# Altium PCB power-v3.1.PcbDoc (part 2 of 3)
Units mil, origin at the board's own origin, x right, y up, seen from the top; angles counter-clockwise.
Board outline 6119.76 x 3200 mil, 2 copper layers (Top Layer, Bottom Layer), stack 63.012 mil thick; 159 components, 100 nets, 465 pads, 512 vias.
Unrouted connection lines stored in the file: 96.
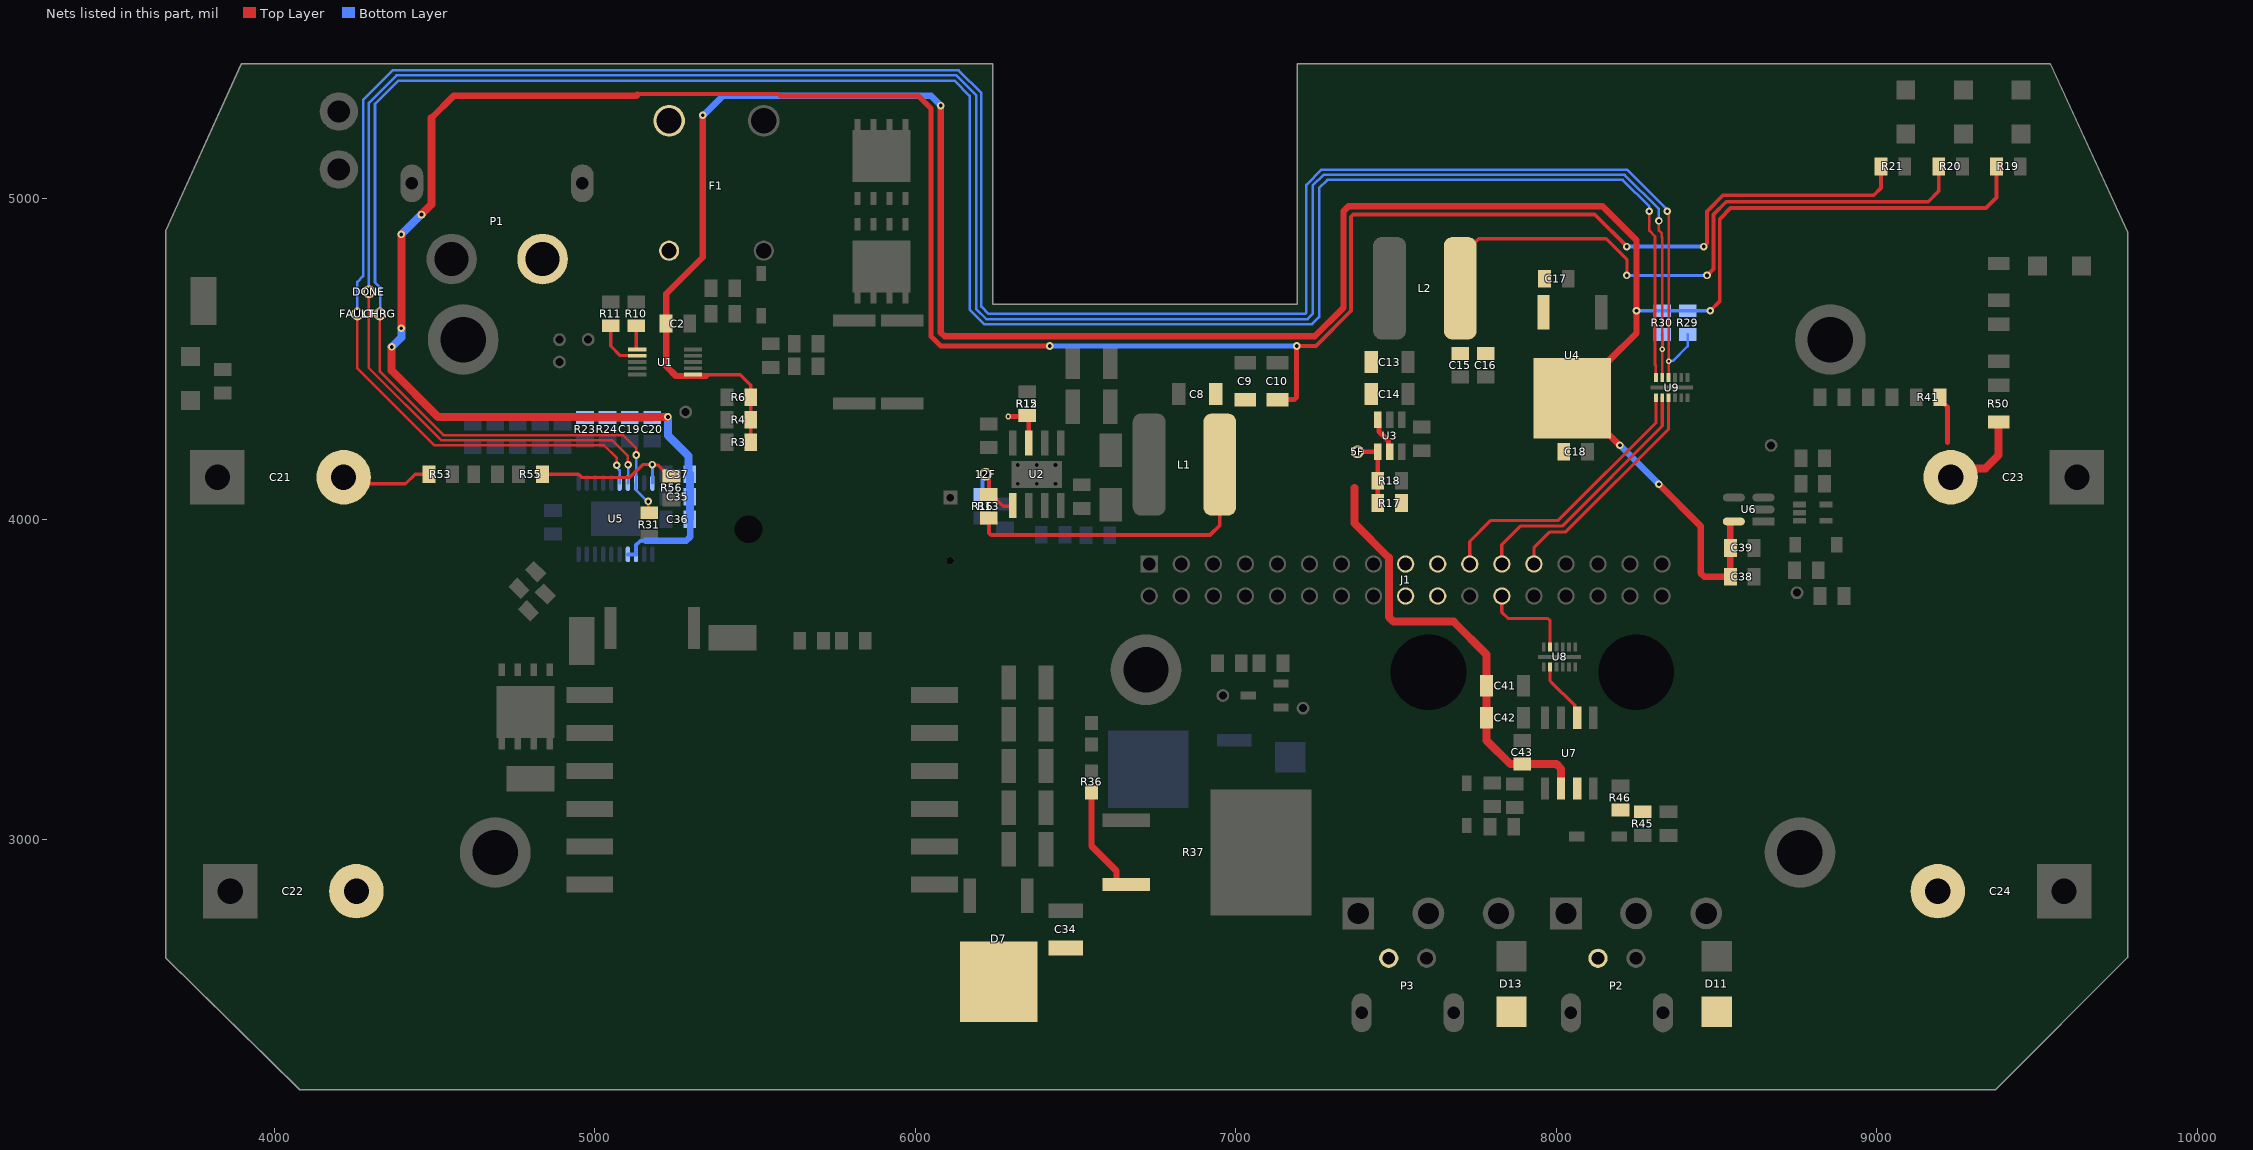
[diagram p2: the nets of this part, all layers, seen from the top]

## Components (designator, comment, footprint, x,y, rotation, side; value= is the part's Value field where it differs from the comment) (continued)
DONE "Test Point (Via)" TP 4296.07,4709.06 r90 top (schematic designator TP10)
F1 "3557-2" FUSE_3549-2 5380,5040 r180 top
FAULT "Test Point (Via)" TP 4260,4640 r90 top (schematic designator TP11)
FBD "Test Point - 5019" TP380X203 4800,3190 r180 top (schematic designator TP8)
GND "Test Point - 5019" TP380X203 3780,4680 r270 top (schematic designator TP1)
HV_S-RAW "Test Point (Via)" TP 8670,4230 r180 top (schematic designator TP16)
HV_SENSE "Test Point (Via)" TP 8751,3770.37 r180 top (schematic designator TP17)
J1 "0.1\" Header Female 34" SAMTEC_ESQ-117-12-L-D 6730,3860 r180 top locked
L1 "SRN8040TA-150M" INDP8279X40M 6840,4170 r0 top
L2 "SRN8040-3R3Y" INDP8279X40M 7590,4720 r0 top
P1 "XT60" Amass_XT60PW-M 4695.77,4811.23 r0 top value=N/A
P2 "4365002" 43650-02 8189.06,2459.92 r0 top value=N/A
P3 "4365002" 43650-02 7536.3,2460 r0 top value=N/A
Q1 "AON6407" 8-PowerSMD#1 5895,5114.17 r90 top
Q2 "AON6407" 8-PowerSMD#1 5895,4805.83 r270 top
Q3 "BSC350N20NSFD" 8-PowerSMD#2 4785,3415.83 r270 top
Q4 "STD11N60DM2" "DPAK (TO-252)" 6830,3220 r270 bottom
Q5 "BSS127SSN-7" SOT95P245X89-3M 7090,3450 r180 top
Q6 "FGY75N60SMD" TO-247-3 8030,2770 r0 bottom
Q7 "FGY75N60SMD" TO-247-3 7382.2,2770 r0 bottom
R1 "100k" 0805 5400,4720 r180 top
R2 "100k" 0805 5400,4640 r180 top
R3 "10k" 0805 5450,4240 r180 top
R4 "10k" 0805 5450,4310 r180 top
R5 "10.0" 0805 5659.5,4476.5 r0 top
R6 "10k" 0805 5450,4380 r180 top
R7 "2mOHM" 2512 5810,4490 r90 top
R8 "2mOHM" 2512 5960,4490 r90 top
R9 "10.0" 0805 5659.5,4546.5 r0 top
R10 "10k" 0805 5130,4640 r90 top
R11 "10k" 0805 5050,4640 r90 top
R12 "169k" 0805 6350,4360 r270 top
R13 "10.2k" 0805 6230,4040 r270 top
R14 "10k" 0805 6430.39,3951.65 r0 bottom
R15 "18.7k" 0805 6350,4360 r90 bottom
R16 "732" 0805 6210,4040 r90 bottom
R17 "56.2k" 0805 7480,4050 r180 top
R18 "10k" 0805 7480,4120 r180 top
R19 "110" 0805 9410,5100 r0 top
R20 "270" 0805 9230,5100 r0 top
R21 "1k" 0805 9050,5100 r0 top
R22 "1.96K" 0805 3840,4430 r270 top value=1.96k
R23 "174k" 0805 4970,4280 r90 bottom
R24 "255k" 0805 5040,4280 r90 bottom
R25 "330k" 0805 4830,4260 r90 bottom
R26 "495k" 0805 4900,4260 r90 bottom
R27 "25.5k" 0805 4760,4260 r270 bottom
R28 "100k" 0805 5677,3620 r180 top
R29 "100k" 0805 8410,4613 r90 bottom
R30 "100k" 0805 8330,4613 r90 bottom
R31 "10k" 0805 5170,3983 r90 top
R32 "11.5k" 0805 4790,3810 r45 top
R33 "25.5k" 0805 4820,3740 r45 top
R34 "7mOHM" 2512 5180,3660 r180 top
R35 "1.05k" 0805 4870,3990 r90 bottom
R36 "5.1M" 0603 6550,3180 r270 top
R37 "1k 50W" "D2PAK (TO-263)" 6910,2960 r270 top value=1.5k
R38 "5.1M" 0603 6550,3330 r270 top
R39 "270k" 0805 6980,3550 r180 top
R40 "100k" 0805 7110,3550 r180 top
R41 "330k" 0805 9160,4380 r0 top
R42 "330k" 0805 9010,4380 r0 top
R43 "330k" 0805 8860,4380 r0 top
R44 "13k" 0805 8800,4190 r0 top
R45 "110" 0805 8270,3050 r90 top
R46 "10k" 0805 8200,3130 r90 top
R47 "110" 0805 7830,3040 r0 top
R48 "10k" 0805 7870,3137 r90 top
R49 "100" 0805 8780,3840 r180 top
R50 "10k" 1206 9380,4360 r270 top
R51 "10k" 1206 9380,4550 r270 top
R52 "10k" 1206 9380,4740 r270 top
R53 "100k" 0805 4520,4140 r180 top
R54 "100k" 0805 4660,4140 r180 top
R55 "100k" 0805 4800,4140 r180 top
R56 "1.6k" 0805 5240,4097 r90 top
S1 "SPST 8.5A 125V" "SPST GF-123-0054" 4202.41,5271.5 r270 top
SCL "Test Point (Via)" TP 4890,4490 r90 top (schematic designator TP3)
SDA "Test Point (Via)" TP 4890.37,4559.63 r90 top (schematic designator TP2)
T1 "DA2034" DA2034 5504.88,3177.28 r180 top
U1 "INA226AIDGSR" 10-VSSOP 5220,4490 r0 top
U2 "TPS54531DDA" 8-PowerSOIC 6379.06,4139.53 r270 top
U3 "TPS563200DDCR" TSOT-23-6 7480,4260 r270 top
U4 "ZLDO1117K33TC" "DPAK (TO-252)" 8050,4480 r180 top
U5 "LT3751EFE#PBF" LT-FE-20-EPV-CB_L 5065.16,4001.22 r270 bottom
U6 "MIC7300YM5-TR" FP-SOT23-5LD-PL-1-IPC_A 8600,4030 r180 top
U7 "IR4427STRPBF" 8-SOIC 8040,3270 r270 top
U8 "TPD6F002DSVR" PSON50P140X80_HS-13N 8010,3570 r90 top
U9 "TPD6F002DSVR" PSON50P140X80_HS-13N 8360,4410 r270 top
VCC "Test Point (Via)" TP 5284.06,4334.06 r180 top (schematic designator TP7)
VCC "LED2" 3.2X1.6X1.1 3740,4438.9 r90 top (schematic designator D6)

## Footprints (in the part's own frame and the unit in brackets; to place one, negate y for a bottom-side part, rotate by r counter-clockwise, add the part's x,y. Pads: shape width x height; smd on the part's side, far side on the other; paste and mask are expansions set on the pad)
3.2X1.6X1.1 [mm]
  rect 1.5x1.5 smd: 1(-1.75,0) 2(1.75,0)
  silkscreen extent -2.9,-1.15 3.2,1.15
8-PowerSMD#1 [mm]
  rect 4.12x4.6 smd: D(0.46,0)
  rect 1x0.5 smd: D(2.9,-1.905) D(2.9,-0.635) D(2.9,0.635) D(2.9,1.905) G(-2.9,-1.905) S(-2.9,-0.635) S(-2.9,0.635) S(-2.9,1.905)
  silkscreen extent -3.13,-2.75 2.6,2.75, body extent -3.07,-2.57 3.08,2.58, height 1.1
8-PowerSMD#2 [mm]
  rect 4.12x4.6 smd: 2(0.46,0)
  rect 1x0.5 smd: D(2.9,1.905) D(2.9,-0.635) D(2.9,0.635) D(2.9,-1.905) G(-2.9,-1.905) S(-2.9,1.905) S(-2.9,-0.635) S(-2.9,0.635)
  silkscreen extent -3.13,-2.75 2.6,2.75, body extent -3.07,-2.57 3.08,2.58, height 1.1
8-PowerSOIC [mm]
  rect 1.97x0.6 smd: 1(-2.475,1.905) 2(-2.475,0.635) 3(-2.475,-0.635) 4(-2.475,-1.905) 5(2.475,-1.905) 6(2.475,-0.635) 7(2.475,0.635) 8(2.475,1.905)
  rect 2.13x4 smd: 9(0,0)
  round 0.6 hole 0.3: V1(-0.75,1.5) V2(0.75,1.5) V3(-0.75,0) V4(0.75,0) V5(-0.75,-1.5) V6(0.75,-1.5)
  silkscreen extent -4.42,-2.52 2,2.6, body extent -3.1,-2.49 3.1,2.49, height 1.68
8-SOIC [mm]
  rect 1.75x0.65 smd: 1(-2.8,1.905) 2(-2.8,0.635) 3(-2.8,-0.635) 4(-2.8,-1.905) 5(2.8,-1.905) 6(2.8,-0.635) 7(2.8,0.635) 8(2.8,1.905)
  silkscreen extent -2.92,-2.55 1.6,2.91, body extent -2,-2.55 2,2.55, height 1.7
10-VSSOP [mm]
  rect 1.45x0.3 smd: 1(-2.2,1) 2(-2.2,0.5) 3(-2.2,0) 4(-2.2,-0.5) 5(-2.2,-1) 6(2.2,-1) 7(2.2,-0.5) 8(2.2,0) 9(2.2,0.5) 10(2.2,1)
  silkscreen extent -2.42,-1.5 1.15,1.82
0603 [mm]
  rect 1.1x1 smd: 1(-0.85,0) 2(0.85,0)
  silkscreen extent -0.15,-0.45 0.15,0.45
0805 [mil]
  rect 40x55 smd: 1(-37,0) 2(37,0)
  silkscreen extent -4,-28 4,28, body extent -47,-28 47,28, height 24
1206 [mm]
  rect 1.05x1.72 smd: 1(-1.46,0) 2(1.46,0)
  silkscreen extent -0.62,-0.85 0.62,0.85
1210 [mm]
  rect 1.16x2.72 smd: 1(-1.475,0) 2(1.475,0)
  silkscreen extent -0.57,-1.35 0.57,1.35
2512 [mm] "Chip Resistor, 2-Leads, Body 6.35x3.10mm, IPC Low Density"
  rect 0.95x3.35 smd: 1(-3.3,0) 2(3.3,0)
  silkscreen extent -2.45,-1.58 2.45,1.58, body extent -3.22,-1.63 3.22,1.63, height 0.6
43650-02 [mm] "Molex Microfit 2PIN RightAngle Thru"
  round 1.52 hole 1.02: 1(-1.5,4.32) 2(1.5,4.32)
  oval 1.6x3.1 hole 1 slot 2.49 at 90 deg: NC(-3.65,0) NC(3.65,0)
  Keep-Out Layer region: 5.575,3.7 3.125,3.7 3.125,2.1 5.575,2.1
  Keep-Out Layer region: -5.575,2.1 -3.125,2.1 -3.125,3.7 -5.575,3.7
  silkscreen extent -5.96,-4.2 5.6,5.96, body extent -4.82,-4.55 4.83,5.35, height 5.64
Amass_XT60PW-M [mm] "Right angle XT60 Male Socket"
  round 4 hole 2.7: 1(-3.6,0) 2(3.6,0)
  rrect100% 1.8x3 hole 1 slot 2 at 90 deg: Un1(6.75,6) Un2(-6.75,6)
  silkscreen extent -7.76,-1.85 7.76,15.42, body extent -7.95,-1.95 7.95,16.3, height 8.4
"D2PAK (TO-263)" [mm]
  rect 1.06x3.78 smd: 1(-2.54,-6.4) 2(2.54,-6.4)
  rect 10x8 smd paste-5 mask+0: 3(0,4.29)
  silkscreen extent -5.34,-7.05 5.32,-3.24, body extent -5.08,-7.62 5.08,7.62, height 4.83
DA2034 [mm]
  rect 3.7x1.27 smd: 1(-14.1,8.059) 2(-14.1,5.059) 3(-14.1,2.059) 4(-14.1,-0.941) 5(-14.1,-3.941) 6(-14.1,-6.941) 7(13.206,-6.941) 8(13.206,-3.941) 9(13.206,-0.941) 10(13.206,2.059) 11(13.206,5.059) 12(13.206,8.059)
  silkscreen extent -10.93,-9.73 10.07,10.85, body extent -14.82,-9.68 13.83,10.89, height 11.18
DO-214AA [mm]
  rect 2.4x2.4 smd: A(2.2,0) C(-2.2,0)
  silkscreen extent -2.26,-1.91 2.26,1.91
DO-214AC [mm]
  rect 2.65x1.75 smd: A(-2.15,0) C(2.15,0)
  silkscreen extent -2.7,-1.25 2.7,1.25
"DPAK (TO-252)" [mil]
  rect 38.58x107.87 smd: 1(-90,-165) 3(90,-165)
  rect 241.67x251.97 smd paste-157.48: 2(0,103)
  silkscreen extent -135,-244 135,150, body extent -128,-185 128,205, height 97
FP-SOT23-5LD-PL-1-IPC_A [mm]
  rect 1.756x0.61 smd paste+0 mask+0: 1(-1.175,0.95)
  rrect100% 1.756x0.61 smd paste+0 mask+0: 2(-1.175,0) 3(-1.175,-0.95) 4(1.175,-0.95) 5(1.175,0.95)
  silkscreen extent -2.73,-1.7 1.4,1.7, body extent -2.55,-1.95 2.55,1.95, height 0.25
FUSE_3549-2 [mm]
  round 2.5 hole 2: 1(-3.75,-5.15) 4(3.75,-5.15)
  round 1.6 hole 1.2: 2(-3.75,5.15) 3(3.75,5.15)
  silkscreen extent -9,-5.2 9,5.2, body extent -9.19,-14.3 8.85,5.3, height 5.84
INDP8279X40M [mm] "Precision Wire Wound Inductor, 2-Leads, Body 8.15x7.90mm, IPC Low Density"
  rrect50% 2.6x8.1 smd: 1(-2.8,0) 2(2.8,0)
  silkscreen extent -0.63,-4.05 0.63,4.05, body extent -4.01,-4 4.01,4, height 4
LT-FE-20-EPV-CB_L [mm] "SOP, 20-Leads, Body 6.6x4.5mm, Pitch 0.65mm, Thermal Pad 3.86x2.74mm, IPC High Density"
  oval 1.25x0.35 smd: 1(-2.825,2.925) 2(-2.825,2.275) 3(-2.825,1.625) 4(-2.825,0.975) 5(-2.825,0.325) 6(-2.825,-0.325) 7(-2.825,-0.975) 8(-2.825,-1.625) 9(-2.825,-2.275) 10(-2.825,-2.925) 11(2.825,-2.925) 12(2.825,-2.275) 13(2.825,-1.625) 14(2.825,-0.975) 15(2.825,-0.325) 16(2.825,0.325) 17(2.825,0.975) 18(2.825,1.625) 19(2.825,2.275) 20(2.825,2.925)
  rect 2.74x3.86 smd: 21(0,0)
  silkscreen extent -2.95,-3.3 1.8,3.77, body extent -2.25,-3.3 2.25,3.3, height 1.2
ONSC-SOD-123-2-425-04_V [mm] "SOD, 2-Leads, Body 2.69x1.6mm"
  rect 0.91x1.22 smd: 1(-1.635,0) 2(1.635,0)
  silkscreen extent -1.76,-0.8 0.78,1.28, body extent -1.35,-0.8 1.35,0.8, height 1.35
PSON50P140X80_HS-13N [mm] "PSON, 12-Leads, Body 3.00x1.35mm, Pitch 0.50mm, Thermal Pad 3.05x0.31mm, IPC Medium Density"
  rect 0.7x0.3 smd: 1(-0.8,1.25) 2(-0.8,0.75) 3(-0.8,0.25) 4(-0.8,-0.25) 5(-0.8,-0.75) 6(-0.8,-1.25) 7(0.8,-1.25) 8(0.8,-0.75) 9(0.8,-0.25) 10(0.8,0.25) 11(0.8,0.75) 12(0.8,1.25)
  rect 0.31x3.4 smd: 13(0,0)
  silkscreen extent -1.17,-1.7 0.72,1.75, body extent -0.72,-1.55 0.72,1.55, height 0.8
"RADIAL, CAN - THRU 10mm - RIGHTANGLE" [mm]
  rect 1.108x1.108 hole 0.6: NEG(-2.5,0)
  round 0.6 hole 0.6: POS(2.5,0)
  Top Layer region: 3.097,0.24 2.81,0.553 2.387,0.571 2.074,0.285 2.056,-0.139 2.342,-0.451 2.766,-0.47 3.078,-0.183
  Bottom Layer region: 3.097,0.24 2.81,0.553 2.387,0.571 2.074,0.285 2.056,-0.139 2.342,-0.451 2.766,-0.47 3.078,-0.183
  Multi-Layer region: 3.097,0.24 2.81,0.553 2.387,0.571 2.074,0.285 2.056,-0.139 2.342,-0.451 2.766,-0.47 3.078,-0.183
  silkscreen extent -4.4,0 -3.6,0, body extent -5,-23.8 5,-1.8, height 11
"RADIAL, CAN - THRU 25.4mm" [mil]
  rect 170x170 hole 78.74: NEG(0,0)
  round 170 hole 78.74: POS(393.7,0)
  silkscreen extent -315,-512 709,512, body extent -303,-500 697,500, height 1772
SAMTEC_ESQ-117-12-L-D [mm]
  rect 1.37x1.37 hole 1.02: 1(0,0)
  round 1.37 hole 1.02: 2(0,2.54) 3(-2.54,0) 4(-2.54,2.54) 5(-5.08,0) 6(-5.08,2.54) 7(-7.62,0) 8(-7.62,2.54) 9(-10.16,0) 10(-10.16,2.54) 11(-12.7,0) 12(-12.7,2.54) 13(-15.24,0) 14(-15.24,2.54) 15(-17.78,0) 16(-17.78,2.54) 17(-20.32,0) 18(-20.32,2.54) 19(-22.86,0) 20(-22.86,2.54) 21(-25.4,0) 22(-25.4,2.54) 23(-27.94,0) 24(-27.94,2.54) 25(-30.48,0) 26(-30.48,2.54) 27(-33.02,0) 28(-33.02,2.54) 29(-35.56,0) 30(-35.56,2.54) 31(-38.1,0) 32(-38.1,2.54) 33(-40.64,0) 34(-40.64,2.54)
  silkscreen extent -44.3,-3.2 3.6,4.3, body extent -44.21,-2.95 3.54,4.25, height 9.5
SOD-123 [mil]
  rect 48x30 smd: A(66,0) C(-66,0)
  silkscreen extent -56,-36 56,36
SOT65P230X110-5N [mm]
  rect 1.05x0.45 smd: 1(-1.05,0.65) 2(-1.05,0) 3(-1.05,-0.65) 4(1.05,-0.65) 5(1.05,0.65)
  silkscreen extent -1.58,-1.05 0.18,1.12, body extent -1.15,-1.05 1.15,1.05, height 1.1
SOT95P245X89-3M [mm] "SOT23, 3-Leads, Body 2.90x2.45mm, Pitch 0.95mm, IPC Low Density"
  rect 1.2x0.65 smd: D(1.3,0) G(-1.3,0.95) S(-1.3,-0.95)
  silkscreen extent -1.43,-1.5 0.7,1.95, body extent -0.7,-1.5 0.7,1.5, height 0.89
"SPST GF-123-0054" [mil]
  round 120 hole 70: 0(0,0) 1(181,0)
  silkscreen extent -154,-252 512,165, body extent -145,-243 503,157, height 589
TO-247-3 [mm]
  rect 2.52x2.52 hole 1.68: 1(0,0)
  round 2.52 hole 1.68: 2(5.56,0) 3(11.12,0)
  silkscreen extent -3.85,-2.04 13.5,2.78, body extent -2.44,-25.55 13.56,0.35, height 8.8
TP [mil] "Test point (40mil Standard)"
  round 40 hole 25: 1(0,0)
TP380X203 [mm]
  rect 3.8x2.03 smd: 1(0,0)
TSOT-23-6 [mm] "SOT-23-6 Thin"
  rect 1.3x0.6 smd: 1(-1.255,0.95) 2(-1.255,0) 3(-1.255,-0.95) 4(1.255,-0.95) 5(1.255,0) 6(1.255,0.95)
  silkscreen extent -2.6,1.15 -2.4,1.35, body extent -1.4,-1.45 1.4,1.45, height 0.97

## Part data
3V3 5V 12V +HV VCC: library part "LED GREEN SMD", "Typical RED, GREEN, YELLOW, AMBER GaAs LED", Color=Green, Current - Test=20mA, Package=1206, Voltage - Forward (Vf) (Typ)=2V, Lens Transparency=Clear
C1 C2 C3 C12: library part "CAP 100nF 50V", "CAP CER 0.1UF 50V X7R 0805", Package=0805, Rating=50V, Tolerance=10%
C4: library part "CAP 8.2nF 50V", "CAP CER 8200PF 50V X7R 0805", Operating Temperature="-55°C ~ 125°C", Package=0805, Rating=50V, Temperature Coefficient=X7R, Tolerance=10%
C5: library part "CAP 10pF 50V", "CAP CER 10PF 50V X7R 0603/0805", Operating Temperature="-55°C ~ 125°C", Package=0603/0805, Rating=50V, Temperature Coefficient=X7R, Tolerance=10%
C6 C7: library part "CAP 10uF 50V", "CAP CER 10UF 50V X7R", Package=1210, Rating=50V, Tolerance=10%, ComponentLink1Description=digikey, ComponentLink1URL=https://www.digikey.ca/en/products/detail/kemet/C1210C106M5RACTU/4918883
C8 C9 C10 C13 C14 C41 C42: library part "CAP 10uF 25V", "CAP CER 10UF 25V X5R 1206", Operating Temperature="-55°C ~ 85°C", Package=1206, Rating=25V, Temperature Coefficient=X5R, Tolerance=10%
C11: library part "CAP 2700pF 50V", "CAP CER 2700PF 50V X7R 0805", Operating Temperature="-55°C ~ 125°C", Package=0805, Rating=50V, Temperature Coefficient=X7R, Tolerance=10%
C15 C16: library part "CAP 22uF 10V", "CAP CER 2.2UF 10V X5R 0805", Operating Temperature="-55°C ~ 85°C", Package=0805, Rating=10V, Temperature Coefficient=X5R, Tolerance=20%
C17 C18: library part "CAP 4.7uF 6.3V", "CAP CER 4.7UF 6.3V X5R 0603/0805", Operating Temperature="-55°C ~ 85°C", Package=0603/0805, Rating=6.3V, Temperature Coefficient=X5R, Tolerance=10%
C19 C26 C27 C28 C29 C30 C31 C37: library part "CAP 10uF 35V", "CAP CER 10UF 35V X7R 0805", Operating Temperature="-55°C ~ 125°C", Package=0805, Rating=35V, Temperature Coefficient=X7R, Tolerance=10%
C20 C32 C35 C36: library part "CAP 0.10uF 35V", "CAP CER 0.10UF 35V X7R 0603/0805", Operating Temperature="-55°C ~ 125°C", Package=0603/0805, Temperature Coefficient=X7R, Tolerance=10%
C21 C22 C23 C24: library part "CAP POL 1000uF", "United Chemi-Con / ESMQ251VSN102MQ45S", Capacitance=1mF, Case/Package=Radial, Dielectric Material=Aluminium, Manufacturer="United Chemi-Con", Manufacturer Part Number=ESMQ251VSN102MQ45S, Max Operating Temperature=85°C, Min Operating Temperature=-40°C, Ripple Current=960mA, Supplier Part Number 1=565-2754-ND, Tolerance=20%, Voltage=250V, Diameter=25.4mm, Height - Seated (Max)=45mm, Lead Diameter=2mm, Lead Free="Lead Free", Lead Pitch=10mm, Life (Hours)=2000Hour, Mount="Through Hole,PCB", Number of Pins=2, REACH SVHC="No SVHC", RoHS=Yes, Supplier 1=Digi-Key, Termination=Radial
C25: library part "CAP POL 680uF TH", "NICHICON   UHW1V681MPD6 ALUMINUM ELECTROLYTIC CAPACITOR, 680UF, 35V, 20%, RADIAL, FULL REEL", Case/Package=Radial, Dielectric Material=Aluminium, Manufacturer=Nichicon, Manufacturer Part Number=UHW1V681MPD6, Supplier Part Number 1=493-6804-ND, Tolerance=20%, Voltage=35V, Capacitance=680uF, Number of Pins=2, RoHS=Yes, Supplier 1=Digi-Key, Termination=Radial
C33: library part "CAP 2.2uF 16V", "CAP CER 2.2UF 16V X5R 0603/0805", Operating Temperature="-55°C ~ 85°C", Package=0603/0805, Rating=16V, Temperature Coefficient=X5R, Tolerance=10%
C34: library part "CAP 0.1uF 630V", "CAP CER 0.1uF 630V X7R 1210", Operating Temperature="-55°C ~ 125°C", Package=1210, Rating=630V, Temperature Coefficient=X7R, Tolerance=10%
C38: library part "CAP 1.0uF 16V", "CAP CER 1.0UF 16V X5R 0603/0805", Operating Temperature="-55°C ~ 85°C", Package=0603/0805, Rating=16V, Temperature Coefficient=X5R, Tolerance=10%
C39 C40 C46: library part "CAP 0.010uF 16V", "CAP CER 0.010UF 16V X5R 0603/0805", Operating Temperature="-55°C ~ 85°C", Package=0603/0805, Rating=16V, Temperature Coefficient=X5R, Tolerance=10%
C43 C44 C45: library part "CAP 0.1uF 25V", "CAP CER 0.1UF 25V X7R 0805", Operating Temperature="-55°C ~ 125°C", Rating=25V, Temperature Coefficient=X7R, Tolerance=10%
CSN CSP FBD GND: "PC Test Point, Miniature Phosphor Bronze, Silver Plating Surface Mount Mounting Type", Package="2010 Keystone", Digi-Key_Part_Number=36-5019CT-ND, Digi-Key_Purchase_URL=https://www.digikey.com/product-detail/en/keystone-electronics/5019/36-5019CT-ND/3907344?utm_source=snapeda&utm_medium=aggregator&utm_campaign=symbol, MF="Keystone Electronics", MP=5019
D1 D8: library part "DIODE ZENER 15V 3W", "Diode ZENER 15V 3W", Supplier Part Number 1=3SMBJ5929BTPMSCT-ND, Supplier 1=Digi-Key
D2: library part "DIODE SCHOTTKY 40V 3A", "Diode Schottky 40V 3A Surface Mount SMA", Current - Average Rectified (Io)=3A, Package=DO-214AC, Voltage - DC Reverse (Vr) (Max)=40V, Voltage - Forward (Vf) (Max) @ If="450mV @ 3A", ComponentLink1Description=digikey, ComponentLink1URL=https://www.digikey.ca/product-detail/en/on-semiconductor/MBR0540T1G/MBR0540T1GOSCT-ND/917967
D7: "Diode Switching 600V 5A DPAK", Digikey=VS-5EWH06FN-M3-ND, Digikey Link=https://www.digikey.ca/en/products/detail/vishay-semiconductor-diodes-division/VS-5EWH06FN-M3/4934509, MF="Vishay Diodes", MF PN=VS-5EWH06FN-M3
D9: library part "DIODE ZENER 3.3 500mW", "Zener 3V3 Voltage Regulator, 500 mW, 2-Pin SOD-123, Pb-Free, Tape and Reel", Manufacturer="On Semiconductor", Supplier Part Number 1=MMSZ4684T1GOSCT-ND, ComponentLink1Description="Manufacturer URL", ComponentLink1URL=http://www.onsemi.com/, ComponentLink2Description=Datasheet, ComponentLink2URL=http://www.onsemi.com/pub_link/Collateral/MMSZ4678T1-D.PDF, ComponentLink3Description="Package Specification", ComponentLink3URL=http://www.onsemi.com/pub_link/Collateral/425-04.PDF, DatasheetVersion="Rev. 9", Mounting Technology="Surface Mount", P Max (W)=0.5, PackageDescription="2-Pin SOD, Body 1.6 x 2.69 mm", PackageReference=SOD-123-2-425-04, PackageVersion="Rev. G, 10/2009", Packing="Tape and Reel", PartNumber=MMSZ4684T1G, RoHS=Pb-Free, Supplier 1=Digi-Key, VZ Typ (V)=3.3
D10: "TVS Diode Bidirectional Vbr = 3.5V, Working Voltage = 3.3V", Arrow Part Number=CPDV5-3V3UP, Manufacturer_Name="Comchip Technology", Mouser Part Number=750-CPDV5-3V3UP, Supplier Part Number 1=641-1422-1-ND, Arrow Price/Stock=https://www.arrow.com/en/products/cpdv5-3v3up/comchip-technology, Datasheet Link=http://www.comchiptech.com/admin/files/product/CPDV5-3V3UP-HF%20RevB181493.pdf, Height=1.1mm, Manufacturer_Part_Number=CPDV5-3V3UP, Mouser Price/Stock=https://www.mouser.com/Search/Refine.aspx?Keyword=750-CPDV5-3V3UP, Supplier 1=Digi-Key
D11 D13: library part "DIODE STANDARD 600V 5A", "Diode Standard 600V 5A Surface Mount SMB", Supplier Part Number 1=1655-1530-1-ND, Supplier 1=Digi-Key
D12 D14: library part "DIODE SCHOTTKY 20V 1A", "Diode Schottky 20V 1A Surface Mount SOD-123FL", Current Rating=1A, Package=SOD-123, Voltage Rating=20V, ComponentLink1Description=digikey, ComponentLink1URL=https://www.digikey.ca/product-detail/en/on-semiconductor/MBR0540T1G/MBR0540T1GOSCT-ND/917967, Digikey=SM5817PL-TPMSCT-ND, Digikey Link=https://www.digikey.ca/product-detail/en/micro-commercial-co/SM5817PL-TP/SM5817PL-TPMSCT-ND/1793410, MF="Micro Commercial Co", MP=SM5817PL-TP
F1: library part "FUSE BLADE", "Fuse Block 30A 500V 1 Circuit Blade Through Hole", Package="Nonstandard Keystone", Availability=Unavailable, MF="Keystone Electronics", MP=3557-2, Price=None, SnapEDA_Link=https://www.snapeda.com/parts/3557-2/Keystone%20Electronics/view-part/278060/?ref=snap, Supplier 1=Digi-Key, Supplier 2=Digi-Key, Supplier Part Number 2=36-3549-2-ND
J1: library part "CN HDR 34POS 2x17", "Female Header THRU 34POS 2ROW 0.1\" (2.54mm) pitch"
L1: library part "IND 15UH 3.2A 50 MOHM", "15µH Semi-Shielded Wirewound Inductor 2.4A 70mOhm Max Nonstandard", Current - Saturation=4A, DC Resistance (DCR)=50mOhm, Inductance=15.0uH, Operating Temperature="-40°C ~ 125°C", ComponentLink1Description=digikey, ComponentLink1URL=https://www.digikey.ca/en/products/detail/bourns-inc/SRU1048-8R2Y/2352912, Digikey=SRN8040TA-150MCT-ND, Digikey Link=https://www.digikey.ca/en/products/detail/bourns-inc/SRN8040TA-150M/6155130, Height - Seated (Max)=4.2mm, MF="Bourns Inc.", MP=SRN8040TA-150M, Size / Dimension="0.512\"\" L x 0.512\"\" W (13.00mm x 13.00mm)", Supplier 1=Digi-Key
L2: library part "IND 3.3UH 5.6A 21 MOHM SMD", "3.3µH Semi-Shielded Wirewound Inductor 5.6A 21mOhm Max Nonstandard", Inductance=3.3uH, Package=Nonstandard, ComponentLink1Description=digikey, ComponentLink1URL=https://www.digikey.ca/en/products/detail/bourns-inc/SRU1048-8R2Y/2352912, Digikey=SRN8040-3R3YCT-ND, Digikey Link=https://www.digikey.ca/en/products/detail/bourns-inc/SRN8040-3R3Y/2756131, MF="Bourns Inc.", MP=SRN8040-3R3Y, Price=None
P1: library part "XT60 Connector", "XT60 CONNECTORS FEMALE PAIR", Supplier Part Number 1=1568-1816-ND, Digikey=1568-1816-ND, Digikey Link=https://www.digikey.ca/product-detail/en/sparkfun-electronics/PRT-10474/1568-1816-ND/8258064, MF="SparkFun Electronics", MP=PRT-10474, Package=XT60, Price="2.13000 CAD", Supplier 1=Digi-Key
P2 P3: library part "CN MOLEX 4365002XX", "MOLEX MICROFIT 2CKT RIGHT THRU", Package=Microfit, Digikey=WM17581-ND, Digikey Link=https://www.digikey.com/en/products/detail/molex/0436500205/3310532?s=N4IgTCBcDaICwGYBsBWADGsaUgLoF8g, MF=MOLEX, MP=4365002XX, Price="1.44 CAD", Supplier 1=Digi-Key, Supplier Part Number 2=WM17581-ND
Q1 Q2: library part "MOSFET AON6407", "MOSFET P-CH 30V 32A 8DFN", Package=8-PowerSMD, Supplier Part Number 1=785-1421-1-ND, Digikey=785-1421-1-ND, Digikey Link=https://www.digikey.ca/product-detail/en/alpha-omega-semiconductor-inc/AON6407/785-1421-1-ND/3466800, MF="Alpha & Omega Semiconductor Inc.", MP=AON6407, Supplier 1=Digi-Key
Q3: library part "MOSFET BSC320N20NS3", "MOSFET N-CH 36A 200V", Package=8-PowerTDFN, Supplier Part Number 1=BSC320N20NS3GATMA1CT-ND, Digikey=BSC320N20NS3GATMA1CT-ND, Digikey Link=https://www.digikey.ca/en/products/detail/infineon-technologies/BSC320N20NS3GATMA1/2337851, MF=Infineon, Supplier 1=Digi-Key
Q4: Supplier Part Number 1=497-16925-1-ND, MFG=STMicroelectronics, Supplier=Digikey, Supplier 1=Digi-Key, Supplier PN=497-16925-1-ND